# Allegro board 8880F5-0826_3.brd (continued)
## Routing (per net, layer and track width the routed paths; a pad name or vN(x,y) marks a point on that pad's centre or on a via; arc(x,y) is an arc through that point) (continued)
S4_2TX_100DCH003-: length 191
  TOP w0.086: v1(341.92,208.6) 342.37,208.15 342.37,204.4 337.51,199.54 337.51,197.86 337.43,197.78 SITE4.94
  L30_SIGNAL w0.071: v1(341.92,208.6) 342.32,208.6 342.39,208.53 342.39,205.94 343.42,204.92 344.83,204.92 346.12,206.21 346.12,206.9 348.97,209.75 354.23,209.75 358.57,205.41 358.57,203.88 361.79,200.67 364.07,200.67 375.26,189.48 411.32,189.48 425.83,174.97 425.83,141.32 421.96,137.45 397.55,137.45 395.02,139.97 395.02,144.01 395.1,144.08 v1(395.5,144.08)
S4_2TX_100DCH004+: length 169.7
  TOP w0.086: SITE4.95 337.03,197.78 336.95,197.86 336.95,199.72 340.9,203.67 340.9,206.64 v1(341.36,207.09)
  L32_SIGNAL w0.071: v1(341.36,207.09) 340.96,207.09 340.88,207.16 340.88,209.56 345.11,213.78 359.18,213.78 360.92,215.52 402.83,215.52 404.96,217.65 404.96,222.59 407.32,224.94 413.94,224.94 419.28,219.6 419.28,160.13 420.31,159.1 421.42,159.1 422,158.52 422,157.74 421.93,157.67 v1(421.53,157.67)
S4_2TX_100DCH004-: length 170.4
  TOP w0.086: SITE4.96 336.63,197.78 336.71,197.86 336.71,199.82 340.67,203.77 340.67,206.64 v1(340.21,207.09)
  L32_SIGNAL w0.071: v1(422.68,157.67) 422.27,157.67 422.2,157.74 422.2,158.6 421.51,159.3 420.39,159.3 419.47,160.21 419.47,219.69 414.02,225.14 407.23,225.14 404.77,222.67 404.77,217.74 402.75,215.72 360.83,215.72 359.1,213.98 345.02,213.98 340.69,209.64 340.69,207.16 340.62,207.09 v1(340.21,207.09)
S4_2TX_100DCH005+: length 154.8
  TOP w0.086: v1(338.99,208.83) 338.54,208.38 338.54,204.15 335.75,201.37 335.75,197.86 335.83,197.78 SITE4.98
  L30_SIGNAL w0.071: v1(421.53,144.08) 421.93,144.08 422,144.01 422,142.22 421.49,141.7 420.57,141.7 419.92,142.35 419.92,170.85 414.6,176.17 414.6,183.39 411.89,186.1 375.15,186.1 360.68,200.56 354.24,200.56 352.52,198.84 341.37,198.84 338.52,201.69 338.52,208.76 338.59,208.83 v1(338.99,208.83)
S4_2TX_100DCH005-: length 155.5
  TOP w0.086: SITE4.99 335.43,197.78 335.51,197.86 335.51,201.47 338.3,204.25 338.3,208.38 v1(337.84,208.83)
  L30_SIGNAL w0.071: v1(422.68,144.08) 422.27,144.08 422.2,144.01 422.2,142.14 421.57,141.5 420.48,141.5 419.72,142.26 419.72,170.77 414.4,176.09 414.4,183.31 411.81,185.9 375.06,185.9 360.6,200.36 354.32,200.36 352.6,198.64 341.29,198.64 338.32,201.61 338.32,208.76 338.25,208.83 v1(337.84,208.83)
S4_2TX_100DCH006+: length 135.9
  TOP w0.086: v1(337.1,210.44) 336.65,209.99 336.65,208.9 337.04,208.51 337.04,203.68 334.95,201.59 334.95,197.86 335.03,197.78 SITE4.100
  L30_SIGNAL w0.071: v1(426.4,182.99) 426.4,182.59 426.47,182.52 428.29,182.52 429.22,183.44 429.22,199.28 415.57,212.93 361.62,212.93 360.84,213.71 342.78,213.71 341.92,212.84 338.16,212.84 336.63,211.32 336.63,210.51 336.7,210.44 v1(337.1,210.44)
S4_2TX_100DCH006-: length 136.9
  TOP w0.086: v1(335.96,210.44) 336.41,209.99 336.41,208.8 336.8,208.41 336.8,203.78 334.71,201.69 334.71,197.86 334.63,197.78 SITE4.101
  L30_SIGNAL w0.071: v1(426.4,181.84) 426.4,182.25 426.47,182.32 428.38,182.32 429.42,183.36 429.42,199.36 415.65,213.13 361.7,213.13 360.93,213.91 342.7,213.91 341.84,213.04 338.07,213.04 336.43,211.4 336.43,210.51 336.36,210.44 v1(335.96,210.44)
S4_2TX_100DCH007+: length 110.3
  TOP w0.086: v1(334.78,209.97) 334.78,209.33 335.98,208.13 335.98,203.78 334.15,201.95 334.15,197.86 334.23,197.78 SITE4.102
  L30_SIGNAL w0.071: v1(334.78,209.97) 334.5,209.69 334.5,209.59 336.4,207.69 336.4,201.61 340.74,197.27 356.07,197.27 357.4,198.6 359.43,198.6 370.07,187.96 371.53,187.96 375.28,184.2 406.94,184.2 408.62,182.52 412.74,182.52 412.81,182.59 v1(412.81,182.99)
S4_2TX_100DCH007-: length 110.2
  TOP w0.086: v1(333.98,209.17) 334.61,209.17 335.74,208.03 335.74,203.88 333.91,202.05 333.91,197.86 333.83,197.78 SITE4.103
  L30_SIGNAL w0.071: v1(333.98,209.17) 334.26,209.45 334.36,209.45 336.2,207.61 336.2,201.53 340.66,197.07 356.15,197.07 357.48,198.4 359.35,198.4 369.99,187.76 371.44,187.76 375.2,184.01 406.85,184.01 408.54,182.32 412.74,182.32 412.81,182.25 v1(412.81,181.84)
S4_3TX_100DCH002+: length 169.7
  TOP w0.086: v1(329.8,208.11) 329.35,207.66 329.35,197.86 329.43,197.78 SITE4.114
  L30_SIGNAL w0.071: v1(403.5,129.1) 403.9,129.1 403.97,129.02 403.97,126.39 403.05,125.46 401.14,125.46 396.2,130.4 389.82,130.4 381.87,138.35 381.87,145.58 386.87,150.58 391.77,150.58 397.69,156.5 397.69,166.99 382.72,181.96 373.61,181.96 368.1,187.48 366.95,187.48 359.3,195.13 357.18,195.13 356.12,196.19 336.78,196.19 329.33,203.64 329.33,208.04 329.4,208.11 v1(329.8,208.11)
S4_3TX_100DCH002-: length 170.3
  TOP w0.086: SITE4.115 329.03,197.78 329.11,197.86 329.11,207.66 v1(328.66,208.11)
  L30_SIGNAL w0.071: v1(404.64,129.1) 404.24,129.1 404.17,129.02 404.17,126.31 403.13,125.26 401.06,125.26 396.12,130.2 389.74,130.2 381.67,138.27 381.67,145.66 386.79,150.78 391.69,150.78 397.5,156.58 397.5,166.91 382.64,181.77 373.52,181.77 368.01,187.28 366.87,187.28 359.21,194.93 357.1,194.93 356.04,195.99 336.7,195.99 329.13,203.56 329.13,208.04 329.06,208.11 v1(328.66,208.11)
S4_3TX_100DCH003+: length 215.4
  TOP w0.086: v1(327.41,209.9) 326.96,209.45 326.96,208.41 328.55,206.82 328.55,197.86 328.63,197.78 SITE4.116
  L30_SIGNAL w0.071: v1(381.15,190.94) 381.55,190.94 381.62,191.02 381.62,192.76 382.88,194.03 415.47,194.03 419.11,190.39 419.11,185.34 425.49,178.96 429.12,178.96 433.5,183.34 433.5,202.24 420.1,215.64 343.4,215.64 342.57,214.81 329.75,214.81 326.94,211.99 326.94,209.97 327.01,209.9 v1(327.41,209.9)
S4_3TX_100DCH003-: length 216
  TOP w0.086: v1(326.26,209.9) 326.72,209.45 326.72,208.31 328.31,206.72 328.31,197.86 328.23,197.78 SITE4.117
  L30_SIGNAL w0.071: v1(382.29,190.94) 381.89,190.94 381.82,191.02 381.82,192.68 382.96,193.83 415.38,193.83 418.91,190.3 418.91,185.26 425.4,178.76 429.2,178.76 433.69,183.25 433.69,202.33 420.19,215.83 343.32,215.83 342.49,215 329.67,215 326.74,212.07 326.74,209.97 326.67,209.9 v1(326.26,209.9)
S4_3TX_100DCH004+: length 91.4
  TOP w0.086: v1(325.36,207.81) 324.91,207.36 324.91,206.21 326.95,204.17 326.95,197.86 327.03,197.78 SITE4.120
  L30_SIGNAL w0.071: v1(381.15,177.36) 381.55,177.36 381.62,177.28 381.62,176.3 381.23,175.91 379.09,175.91 377.96,177.03 375.47,177.03 370.22,182.29 368.01,182.29 361.17,189.13 361.17,191.97 358.8,194.33 356.88,194.33 356.47,193.92 356.47,193.27 355.99,192.78 334.25,192.78 326.48,200.55 326.48,205.18 324.89,206.77 324.89,207.74 324.96,207.81 v1(325.36,207.81)
S4_3TX_100DCH004-: length 92.1
  TOP w0.086: SITE4.121 326.63,197.78 326.71,197.86 326.71,204.07 324.67,206.11 324.67,207.36 v1(324.22,207.81)
  L30_SIGNAL w0.071: v1(382.29,177.36) 381.89,177.36 381.82,177.28 381.82,176.22 381.31,175.71 379,175.71 377.88,176.83 375.39,176.83 370.13,182.09 367.92,182.09 360.97,189.04 360.97,191.88 358.72,194.13 356.97,194.13 356.67,193.84 356.67,193.18 356.07,192.58 334.16,192.58 326.28,200.46 326.28,205.09 324.69,206.68 324.69,207.74 324.62,207.81 v1(324.22,207.81)
S4_3TX_100DCH005+: length 103.5
  TOP w0.086: SITE4.122 326.23,197.78 326.15,197.86 326.15,200.53 324.65,202.03 324.65,203.24 v1(325.11,203.69)
  L32_SIGNAL w0.071: v1(394.35,174.43) 394.76,174.43 394.83,174.36 394.83,173.08 394.27,172.52 393.47,172.52 392.29,173.7 392.29,188.98 388.8,192.48 362.58,192.48 360.34,194.71 357.53,194.71 355.51,196.73 345.66,196.73 341.34,201.06 326.26,201.06 324.63,202.68 324.63,203.62 324.7,203.69 v1(325.11,203.69)
S4_3TX_100DCH005-: length 104.1
  TOP w0.086: SITE4.123 325.83,197.78 325.91,197.86 325.91,200.44 324.42,201.93 324.42,203.24 v1(323.96,203.69)
  L32_SIGNAL w0.071: v1(323.96,203.69) 324.36,203.69 324.44,203.62 324.44,202.6 326.17,200.86 341.26,200.86 345.58,196.53 355.42,196.53 357.44,194.51 360.26,194.51 362.49,192.28 388.71,192.28 392.1,188.9 392.1,173.62 393.39,172.33 394.35,172.33 395.02,173 395.02,174.36 395.1,174.43 v1(395.5,174.43)
S4_3TX_100DCH006+: length 127.9
  TOP w0.086: SITE4.124 325.43,197.78 325.35,197.86 325.35,199.65 322.87,202.13 322.87,204.93 321.66,206.13 321.66,207.36 v1(322.12,207.81)
  L30_SIGNAL w0.071: v1(322.12,207.81) 321.71,207.81 321.64,207.74 321.64,206.6 322.83,205.42 322.83,196.37 327.88,191.31 347.11,191.31 349.9,188.52 355.49,188.52 357.71,190.74 358.98,190.74 359.96,189.76 359.96,170.67 361.59,169.04 378.94,169.04 388.58,159.39 394.55,159.39 394.83,159.67 394.83,160.77 394.76,160.85 v1(394.35,160.85)
S4_3TX_100DCH006-: length 128.5
  TOP w0.086: SITE4.125 325.03,197.78 325.11,197.86 325.11,199.55 322.63,202.03 322.63,204.83 321.43,206.04 321.43,207.36 v1(320.97,207.81)
  L30_SIGNAL w0.071: v1(395.5,160.85) 395.1,160.85 395.02,160.77 395.02,159.59 394.63,159.19 388.5,159.19 378.85,168.84 361.51,168.84 359.77,170.58 359.77,189.67 358.89,190.54 357.79,190.54 355.57,188.32 349.81,188.32 347.02,191.11 327.8,191.11 322.63,196.29 322.63,205.34 321.45,206.52 321.45,207.74 321.37,207.81 v1(320.97,207.81)
S4_3TX_100DCH007+: length 201.1
  TOP w0.086: SITE4.126 324.63,197.78 324.55,197.86 324.55,198.73 321.08,202.2 321.08,203.24 v1(321.53,203.69)
  L32_SIGNAL w0.071: v1(321.53,203.69) 321.13,203.69 321.06,203.62 321.06,200.41 324.65,196.82 333.29,196.82 336.32,193.8 336.32,176.46 335.64,175.78 335.64,164.26 334.65,163.28 334.65,156.75 329.39,151.49 326.78,151.49 323.21,147.91 323.21,139.64 324.08,138.77 329.58,138.77 331.51,140.7 334.66,140.7 339.82,145.87 347.55,145.87 354.55,152.87 364.56,152.87 367.97,149.46 408.77,149.46 413.54,144.7 413.54,141.48 414.32,140.7 416.46,140.7 417.18,141.42 417.18,142.61 417.11,142.68 v1(416.71,142.68)
S4_3TX_100DCH007-: length 201.8
  TOP w0.086: SITE4.127 324.23,197.78 324.31,197.86 324.31,198.63 320.84,202.1 320.84,203.24 v1(320.39,203.69)
  L32_SIGNAL w0.071: v1(320.39,203.69) 320.79,203.69 320.86,203.62 320.86,200.33 324.56,196.63 333.21,196.63 336.12,193.71 336.12,176.54 335.44,175.86 335.44,164.35 334.45,163.36 334.45,156.83 329.31,151.68 326.7,151.68 323.01,148 323.01,139.56 324,138.57 329.66,138.57 331.59,140.5 334.74,140.5 339.9,145.67 347.63,145.67 354.64,152.67 364.48,152.67 367.88,149.27 408.69,149.27 413.34,144.61 413.34,141.4 414.24,140.5 416.54,140.5 417.38,141.34 417.38,142.61 417.45,142.68 v1(417.85,142.68)
S4_4TX_100DCH001+: length 232.7
  TOP w0.086: SITE4.129 323.43,197.78 323.35,197.86 323.35,198.57 319.3,202.62 319.3,205.93 318.34,206.89 318.34,207.36 v1(318.79,207.81)
  L30_SIGNAL w0.071: v1(318.79,207.81) 318.39,207.81 318.32,207.74 318.32,207.11 319,206.43 319,168.46 321.19,166.27 321.19,161.32 319.05,159.18 319.05,147.84 315.96,144.76 305.99,144.76 301.68,140.44 301.68,131.56 302.98,130.26 324.73,130.26 327.42,132.94 336.17,132.94 342.05,127.07 372.17,127.07 376.66,122.58 395.11,122.58 396.36,121.33 411.63,121.33 417.18,126.88 417.18,129.02 417.11,129.1 v1(416.71,129.1)
S4_4TX_100DCH001-: length 233.3
  TOP w0.086: SITE4.130 323.03,197.78 323.11,197.86 323.11,198.47 319.06,202.52 319.06,205.83 318.1,206.79 318.1,207.36 v1(317.64,207.81)
  L30_SIGNAL w0.071: v1(317.64,207.81) 318.05,207.81 318.12,207.74 318.12,207.03 318.8,206.35 318.8,168.38 320.99,166.19 320.99,161.4 318.85,159.26 318.85,147.93 315.88,144.95 305.91,144.95 301.48,140.52 301.48,131.48 302.9,130.06 324.81,130.06 327.5,132.74 336.09,132.74 341.96,126.87 372.09,126.87 376.58,122.38 395.03,122.38 396.27,121.14 411.72,121.14 417.38,126.8 417.38,129.02 417.45,129.1 v1(417.85,129.1)
S4_4TX_100DCH002+: length 172.9
  TOP w0.086: v1(317.56,205.42) 317.11,204.97 317.11,203.7 322.55,198.26 322.55,197.86 322.63,197.78 SITE4.131
  L32_SIGNAL w0.071: v1(390.29,142.68) 390.69,142.68 390.76,142.61 390.76,141.51 390.21,140.96 386.67,140.96 385.67,141.96 369.82,141.96 365.26,137.4 353.16,137.4 349.73,140.83 338.68,140.83 335.58,137.73 323.67,137.73 321.72,139.68 321.72,149.78 329.45,157.51 330.43,157.51 332.76,159.83 332.76,174.16 334.76,176.16 334.76,193.01 332.16,195.61 323.65,195.61 317.09,202.17 317.09,205.35 317.16,205.42 v1(317.56,205.42)
S4_4TX_100DCH002-: length 173.6
  TOP w0.086: SITE4.132 322.23,197.78 322.31,197.86 322.31,198.16 316.87,203.6 316.87,204.97 v1(316.42,205.42)
  L32_SIGNAL w0.071: v1(316.42,205.42) 316.82,205.42 316.89,205.35 316.89,202.09 323.57,195.42 332.07,195.42 334.56,192.93 334.56,176.25 332.56,174.24 332.56,159.92 330.35,157.71 329.37,157.71 321.52,149.86 321.52,139.6 323.59,137.53 335.66,137.53 338.76,140.63 349.65,140.63 353.08,137.2 365.34,137.2 369.9,141.76 385.59,141.76 386.58,140.76 390.3,140.76 390.96,141.42 390.96,142.61 391.03,142.68 v1(391.43,142.68)
S4_4TX_100DCH003+: length 198.8
  TOP w0.086: v1(305.81,199.77) 306.27,199.32 311.06,199.32 317.23,193.15 317.6,193.15 317.68,193.23 SITE4.133
  L28_SIGNAL w0.071: v1(390.29,129.1) 390.69,129.1 390.76,129.17 390.76,130.81 386.7,134.88 382.48,134.88 370.52,122.92 333.9,122.92 331.52,120.54 326.51,120.54 324.13,122.92 316.47,122.92 306.86,132.53 305.35,132.53 291.32,146.56 291.32,190.49 300.12,199.3 305.74,199.3 305.81,199.37 v1(305.81,199.77)
S4_4TX_100DCH003-: length 198.5
  TOP w0.086: SITE4.134 317.68,192.83 317.6,192.91 317.13,192.91 310.96,199.08 306.27,199.08 v1(305.81,198.63)
  L28_SIGNAL w0.071: v1(391.43,129.1) 391.03,129.1 390.96,129.17 390.96,130.89 386.78,135.07 382.4,135.07 370.44,123.12 333.81,123.12 331.43,120.73 326.59,120.73 324.21,123.12 316.55,123.12 306.94,132.72 305.44,132.72 291.52,146.65 291.52,190.41 300.21,199.1 305.74,199.1 305.81,199.03 v1(305.81,198.63)
S4_4TX_100DCH004+: length 237
  TOP w0.086: v1(308.57,197.65) 309.02,197.2 311.68,197.2 316.53,192.35 317.6,192.35 317.68,192.43 SITE4.135
  L32_SIGNAL w0.071: v1(308.57,197.65) 308.57,197.25 308.64,197.18 317.61,197.18 326.43,188.36 326.43,164.77 325.48,163.82 325.48,161.26 323.3,159.08 323.3,152.85 319.37,148.93 319.37,138.15 320.79,136.73 343.83,136.73 345.24,135.32 367.72,135.32 369.7,137.3 375.59,137.3 377.45,135.44 414.92,135.44 419.62,140.14 419.62,147.03 412.59,154.05 412.59,156.8 410.18,159.21 406.79,159.21 405.18,160.82 405.18,169.89 408.29,172.99 408.29,174.36 408.22,174.43 v1(407.82,174.43)
S4_4TX_100DCH004-: length 237.3
  TOP w0.086: v1(308.57,196.51) 309.02,196.96 311.58,196.96 316.43,192.11 317.6,192.11 317.68,192.03 SITE4.136
  L32_SIGNAL w0.071: v1(408.96,174.43) 408.56,174.43 408.49,174.36 408.49,172.91 405.38,169.81 405.38,160.9 406.87,159.41 410.27,159.41 412.79,156.88 412.79,154.14 419.82,147.11 419.82,140.06 415,135.24 377.37,135.24 375.51,137.1 369.78,137.1 367.81,135.13 345.16,135.13 343.75,136.54 320.71,136.54 319.17,138.07 319.17,149.01 323.1,152.93 323.1,159.16 325.28,161.34 325.28,163.9 326.23,164.85 326.23,188.27 317.53,196.98 308.64,196.98 308.57,196.91 v1(308.57,196.51)
S4_4TX_100DCH005+: length 242.8
  TOP w0.086: SITE4.137 317.68,191.63 317.6,191.55 316.17,191.55 312.64,195.08 306.27,195.08 v1(305.81,195.53)
  L32_SIGNAL w0.071: v1(407.82,160.85) 408.22,160.85 408.29,160.92 408.29,162.22 409.22,163.14 411.85,163.14 424.51,150.48 424.51,140.47 418.08,134.04 377.25,134.04 373.18,129.97 342.05,129.97 339.26,132.77 318.14,132.77 315.93,134.97 315.93,156.28 321.14,161.5 321.14,165.33 319.26,167.21 319.26,187.74 311.93,195.07 307.7,195.07 306.2,196.57 303.88,196.57 303.51,196.2 303.51,195.48 303.93,195.06 305.74,195.06 305.81,195.13 v1(305.81,195.53)
S4_4TX_100DCH005-: length 242.5
  TOP w0.086: SITE4.138 317.68,191.23 317.6,191.31 316.07,191.31 312.55,194.84 306.27,194.84 v1(305.81,194.39)
  L32_SIGNAL w0.071: v1(408.96,160.85) 408.56,160.85 408.49,160.92 408.49,162.14 409.3,162.95 411.77,162.95 424.32,150.4 424.32,140.56 417.99,134.23 377.16,134.23 373.1,130.17 342.14,130.17 339.34,132.96 318.22,132.96 316.13,135.06 316.13,156.2 321.34,161.42 321.34,165.41 319.46,167.29 319.46,187.82 312.02,195.27 307.78,195.27 306.28,196.77 303.79,196.77 303.31,196.29 303.31,195.4 303.85,194.86 305.74,194.86 305.81,194.79 v1(305.81,194.39)
S4_4TX_100DCH006+: length 58.4
  TOP w0.086: SITE4.140 317.68,190.43 317.6,190.35 313.96,190.35 312.03,192.28 309.02,192.28 v1(308.57,192.73)
  L32_SIGNAL w0.071: v1(310.75,156.84) 311.15,156.84 311.22,156.92 311.22,158.28 310.1,159.4 305.65,159.4 303.04,162 303.04,190.21 305.1,192.26 308.49,192.26 308.57,192.33 v1(308.57,192.73)
S4_4TX_100DCH006-: length 58
  TOP w0.086: SITE4.141 317.68,190.03 317.6,190.11 313.86,190.11 311.93,192.04 309.02,192.04 v1(308.57,191.59)
  L32_SIGNAL w0.071: v1(311.89,156.84) 311.49,156.84 311.42,156.92 311.42,158.36 310.19,159.59 305.73,159.59 303.24,162.09 303.24,190.12 305.18,192.06 308.49,192.06 308.57,191.99 v1(308.57,191.59)
S4_4TX_100DCH007+: length 78.5
  TOP w0.086: SITE4.142 317.68,189.63 317.6,189.55 313.04,189.55 312.4,190.19 306.27,190.19 v1(305.81,190.64)
  L28_SIGNAL w0.071: v1(305.81,190.64) 305.81,190.24 305.74,190.16 303.96,190.16 302.77,188.97 296.3,188.97 294.17,186.84 294.17,161.44 311.22,144.39 311.22,143.33 311.15,143.26 v1(310.75,143.26)
S4_4TX_100DCH007-: length 78.2
  TOP w0.086: v1(305.81,189.49) 306.27,189.95 312.3,189.95 312.94,189.31 317.6,189.31 317.68,189.23 SITE4.143
  L28_SIGNAL w0.071: v1(305.81,189.49) 305.81,189.9 305.74,189.97 304.04,189.97 302.85,188.78 296.39,188.78 294.36,186.75 294.36,161.52 311.42,144.47 311.42,143.33 311.49,143.26 v1(311.89,143.26)
S4_AUX_100DCH002+:
  vias: v1(299.22,132.08)
S4_AUX_100DCH002-:
  vias: v1(296.68,132.08)
S4_AUXCH+: length 3.6
  TOP w0.203: v2(330.6,176.57) 330.23,176.2 SITE4.21
S4_AUXCH-: length 3.6
  TOP w0.203: SITE4.20 329.83,176.2 v2(329.46,176.57)
S4_AVDD11_RX: length 8.4
  TOP w0.231: SITE4.31 334.23,168.29 334.67,167.85
  TOP w0.508: v1(336.77,165.75) 334.67,167.85
  vias: v1(336.77,163.71) v1(518.37,278.76) v1(518.37,276.86)
S4_AVDD11_XTAL: length 8.8
  TOP w0.231: SITE4.105 333.03,200.95 332.87,201.11 332.87,201.45
  TOP w0.381: v1(333.72,204.54) 333.72,204.45 332.87,203.59 332.87,201.45
  vias: v1(333.72,206.58) v1(511.6,262.25) v1(511.6,260.35)
S4_AVDD18_RX: length 7.7
  TOP w0.231: SITE4.25 331.83,170.56 331.28,170.01
  TOP w0.508: 331.28,170.01 331.28,168.9 331.06,168.68 v1(331.06,165.75)
  vias: v1(331.06,163.71) v1(528.11,278.76) v1(528.11,276.86)
S4_DCH041: length 2.2
  TOP w0.231: v1(317.23,183.03) 317.43,182.83 SITE4.159
S4_DCH042: length 3.7
  TOP w0.231: v1(315.83,183.03) 316.43,182.43 SITE4.160
S4_DCH043: length 5.3
  TOP w0.231: v1(314.43,183.03) 315.44,182.03 SITE4.161
S4_DCH044: length 2.2
  TOP w0.231: SITE4.163 317.43,181.23 v1(317.23,181.03)
S4_DCH045: length 5.4
  TOP w0.231: v1(324.35,179.83) 323.35,180.83 SITE4.164
S4_DCH046: length 3.9
  TOP w0.231: SITE4.165 322.35,180.43 v1(322.95,179.83)
S4_DCH047: length 2.3
  TOP w0.231: v1(321.56,179.83) 321.36,180.03 SITE4.166
S4_DCH048:
  vias: v1(309.05,216.97)
S4_DCH049:
  vias: v1(309.05,211.67)
S4_DPS_F_001:
  vias: v1(122.19,249.66) v1(122.19,247.75) v1(297.68,130.81) v1(301.73,167.84)
S4_DPS_F_002: length 10.1
  TOP w0.231: 320.65,169.55 321.72,169.55 323.03,170.86 SITE4.3
  TOP w0.508: 320.65,169.55 317.98,166.88 v1(317.98,165.75)
  vias: v1(316.32,162.9) v1(317.98,163.71) v1(511.6,278.76) v1(511.6,276.86)
S4_DPS_F_003: length 63.1
  TOP w0.231: SITE4.145 313.08,188.43 312.83,188.18 ; 314.63,181.63 SITE4.162 ; SITE4.37 336.63,171.59 338.57,169.66 339.73,169.66 ; SITE4.63 344.9,183.23 345.2,182.93 ; 347.84,185.53 346.94,186.43 SITE4.71 ; 329.28,168.85 328.63,169.5 SITE4.17 ; 331.69,201.16 331.69,200.65 332.23,200.11 SITE4.107
  TOP w0.381: 331.69,201.16 331.69,204.28 v1(331.94,204.54)
  TOP w0.508: 314.63,181.63 314.37,181.63 312.59,183.41 v1(311.44,183.41) ; v1(351.22,183.91) 349.45,183.91 347.84,185.53 ; v1(311.44,187.93) 312.58,187.93 312.83,188.18 ; v1(342.36,165.75) 342.36,167.02 339.73,169.66 ; v1(351.22,181.37) 348.11,181.37 346.8,182.68 345.45,182.68 345.2,182.93 ; v1(329.28,165.75) 329.28,168.85
  vias: v1(309.4,187.93) v1(309.4,183.41) v1(329.28,163.71) v1(331.54,192.61) v1(331.94,206.58) v1(342.36,163.71) v1(353.27,183.91) v1(353.27,181.37) v1(464.57,192.28) v1(501.86,278.76) v1(501.86,276.86)
S4_DPS_F_006: length 9.6
  TOP w0.231: SITE4.72 347.92,186.83 348.55,186.19
  TOP w0.508: v1(351.22,185.18) 349.56,185.18 348.55,186.19
  vias: v1(339,186.67) v1(353.27,185.18) v1(478.58,262.25) v1(478.58,260.35)
S4_DPS_F_007: length 19
  TOP w0.231: SITE4.97 336.23,200.71 339.65,204.13 v1(339.65,204.54) ; 344.37,189.01 344.15,189.23 SITE4.78
  TOP w0.508: 344.37,189.01 350.31,189.01 350.8,189.5 v1(351.22,189.5)
  vias: v1(339.65,206.58) v1(353.27,189.5) v1(528.11,262.25) v1(528.11,260.35)
S4_DPS_F_009: length 8.8
  TOP w0.231: 332.26,201.12 332.26,200.9 332.63,200.53 SITE4.106
  TOP w0.381: v1(332.83,204.54) 332.83,204.39 332.26,203.82 332.26,201.12
  vias: v1(332.83,206.58) v1(333.61,207.66) v1(495.09,262.25) v1(495.09,260.35)
S4_DPS_F_010: length 8.6
  TOP w0.231: 331.05,201.13 331.05,200.57 330.63,200.15 SITE4.111
  TOP w0.381: 331.05,201.13 v1(331.05,204.54)
  vias: v1(330.34,193.59) v1(331.05,206.58) v1(485.35,262.25) v1(485.35,260.35)
S4_DPS_F_011: length 17.6
  TOP w0.231: v1(311.44,193.69) 312.01,193.69 314.87,190.83 SITE4.139 ; SITE4.119 327.43,197.79 327.64,198.01
  TOP w0.508: v1(327.57,204.54) 327.64,204.47 327.64,198.01
  vias: v1(309.4,193.69) v1(327.57,206.58) v1(518.37,262.25) v1(518.37,260.35)
S4_DPS_F_012: length 8
  TOP w0.231: 312.2,188.83 SITE4.144
  TOP w0.508: 312.2,188.83 311.81,188.83 v1(311.44,189.2)
  vias: v1(309.4,189.2) v1(468.84,262.25) v1(468.84,260.35)
S4_DPS_F_013:
  vias: v1(117.33,249.71) v1(117.33,247.8) v1(452.62,188.98) v1(457.25,190.45) v1(474.87,173.79) v1(474.89,161.55) v1(474.99,175.15) v1(478.43,173.74) v1(478.43,161.55) v1(478.53,175.15) v1(480.97,161.55) v1(481.07,175.15) v1(482.1,197.87) v1(483.51,161.55) v1(483.61,175.15) v1(489.86,169.47) v1(490.1,183.24)
S4_ISP00+: length 99.5
  TOP w0.086: v1(355.08,185.88) 354.62,186.33 350.29,186.33 349.31,187.31 344.06,187.31 343.98,187.23 SITE4.73
  L30_SIGNAL w0.071: v1(307.81,134.11) 307.81,135.47 307.88,135.54 323.4,135.54 329.84,141.98 329.84,145.27 339.48,154.92 339.48,165.79 349.8,176.1 349.8,184.98 351.16,186.35 355,186.35 355.08,186.28 v1(355.08,185.88)
  BOTTOM w0.119: v1(307.81,134.11) UNK4K43.7
S4_ISP00-: length 99.5
  TOP w0.086: v1(355.08,187.02) 354.62,186.57 350.39,186.57 349.41,187.55 344.06,187.55 343.98,187.63 SITE4.74
  L30_SIGNAL w0.071: v1(307.81,137.16) 307.81,135.81 307.88,135.74 323.32,135.74 329.64,142.06 329.64,145.36 339.29,155 339.29,165.87 349.6,176.18 349.6,185.06 351.08,186.55 355,186.55 355.08,186.62 v1(355.08,187.02)
  BOTTOM w0.119: v1(307.81,137.16) UNK4K43.2
S4_ISP14+: length 154.7
  TOP w0.086: v1(331.93,209.9) 331.48,209.45 331.48,207.92 330.15,206.59 330.15,197.86 330.23,197.78 SITE4.112
  L32_SIGNAL w0.071: v1(331.93,209.9) 331.53,209.9 331.46,209.83 331.46,208.24 329.96,206.74 329.96,204.8 328.62,203.46 327.04,203.46 326.42,204.08 326.42,204.85 324.71,206.56 323.89,206.56 323.11,207.34 323.11,210.81 321.13,212.78 311.9,212.78 308.71,209.59 298.42,209.59 294.35,205.52 294.35,184.19 296.65,181.89 296.65,154.94 301.02,150.57 308.82,150.57 314.41,144.98 314.41,136.33 313.62,135.54 312.28,135.54 312.21,135.47 v1(312.21,131.64)
S4_ISP14-: length 154.3
  TOP w0.086: v1(330.79,209.9) 331.24,209.45 331.24,208.02 329.91,206.69 329.91,197.86 329.83,197.78 SITE4.113
  L32_SIGNAL w0.071: v1(312.21,139.64) 312.21,135.81 312.28,135.74 313.53,135.74 314.22,136.42 314.22,144.9 308.74,150.37 300.94,150.37 296.45,154.86 296.45,181.81 294.15,184.11 294.15,205.6 298.33,209.78 308.62,209.78 311.82,212.98 321.22,212.98 323.31,210.89 323.31,207.43 323.98,206.75 324.79,206.75 326.61,204.93 326.61,204.17 327.12,203.66 328.54,203.66 329.76,204.88 329.76,206.82 331.26,208.32 331.26,209.83 331.19,209.9 v1(330.79,209.9)
S4_ISP_1LOCK:
  vias: v1(309.91,185.39)
S4_M_DPS_F_001: length 45.2
  TOP w0.231: SITE4.39 337.43,171.49 338.54,170.37 340.57,170.37 ; 346.49,183.63 SITE4.64 ; 313.24,187.18 313.7,187.63 SITE4.147 ; SITE4.104 333.43,203.21 ; 330.63,170.54 SITE4.22
  TOP w0.381: 333.43,203.21 334.61,204.39 v1(334.61,204.54)
  TOP w0.508: v1(311.44,186.66) 312.72,186.66 313.24,187.18 ; v1(330.17,165.75) 330.17,168.96 330.38,169.17 330.38,170.28 330.63,170.54 ; v1(351.22,182.64) 348.48,182.64 347.49,183.63 346.49,183.63 ; 340.57,170.37 343.63,167.31 v1(343.63,165.75)
  vias: v1(309.4,186.66) v1(330.17,163.71) v1(334.61,206.58) v1(343.63,163.71) v1(353.27,182.64) v1(518.37,295.27) v1(518.37,293.37)
S4_PS9G_DCH001: length 3.7
  TOP w0.231: v1(329.63,169.63) 329.03,170.23 SITE4.18
S4_PS9G_DCH002: length 2.2
  TOP w0.231: SITE4.19 329.43,171.23 v1(329.63,171.03)
S4_PS9G_DCH003: length 2.2
  TOP w0.231: SITE4.24 331.43,171.23 v1(331.23,171.03)
S4_PS9G_DCH004: length 2.2
  TOP w0.231: SITE4.40 337.83,175.03 v1(337.63,175.23)
S4_PS9G_DCH005: length 2.2
  TOP w0.231: v1(344.43,175.83) 344.23,176.03 SITE4.45
S4_PS9G_DCH006: length 3.7
  TOP w0.231: v1(345.83,175.83) 345.23,176.43 SITE4.46
S4_PS9G_DCH007: length 5.3
  TOP w0.231: SITE4.47 346.22,176.83 v1(347.22,175.83)
S4_PS9G_DCH009: length 2.2
  TOP w0.231: v1(344.43,177.43) 344.23,177.63 SITE4.49
S4_PS9G_DCH010: length 3.7
  TOP w0.231: SITE4.50 345.23,178.03 v1(345.83,177.43)
S4_PS9G_DCH011: length 5.3
  TOP w0.231: v1(347.22,177.43) 346.22,178.43 SITE4.51
S4_PS9G_DCH014: length 3.7
  TOP w0.231: v1(345.83,179.03) 345.23,179.63 SITE4.54
S4_PS9G_DCH015: length 5.3
  TOP w0.231: v1(347.22,179.03) 346.22,180.03 SITE4.55
S4_PS9G_DCH022: length 5.3
  TOP w0.231: v1(347.22,185.03) 347.05,185.03 346.05,184.03 SITE4.65
S4_PS9G_DCH023: length 2.5
  TOP w0.231: v1(344.43,185.03) 344.43,184.83 344.03,184.43 SITE4.66
S4_PS9G_DCH027: length 3.9
  TOP w0.231: v1(345.83,185.03) 344.83,186.03 SITE4.70
S4_PS9G_DCH028: length 2.3
  TOP w0.231: SITE4.77 340.6,188.83 v1(340.23,188.46)
S4_PS9G_DCH029: length 2.2
  TOP w0.119: SITE4.118 v1(327.83,193.92)
S4_PS9G_DCH030: length 9.2
  TOP w0.231: SITE4.148 317.62,187.23 317.3,186.91 314.16,186.91 312.63,185.39 v1(310.91,185.39)
S4_PS9G_DCH035: length 5.3
  TOP w0.231: v1(314.43,186.23) 315.44,185.23 SITE4.153
S4_PS9G_DCH036: length 2.2
  TOP w0.231: v1(321.43,185.03) 321.23,184.83 SITE4.154
S4_PS9G_DCH037: length 2.2
  TOP w0.231: SITE4.155 317.43,184.43 v1(317.23,184.63)
S4_PS9G_DCH038: length 3.7
  TOP w0.231: v1(315.83,184.63) 316.43,184.03 SITE4.156
S4_PS9G_DCH039: length 5.3
  TOP w0.231: v1(314.43,184.63) 315.44,183.63 SITE4.157
S4_PS9G_DCH040: length 2.2
  TOP w0.231: v1(321.43,183.43) 321.23,183.23 SITE4.158
S4_RLY_001:
  vias: v1(402.14,146.88) v1(415.1,163.64)
S4_RLY_003:
  vias: v1(318.32,131.64) v1(403.41,209.61)
S4_RLY_005:
  vias: v1(388.43,146.88) v1(415.6,146.88)
S4_RLY_007:
  vias: v1(415.61,188.92)
S4_RLY_008:
  vias: v1(375.22,180.15) v1(397.57,131.89)
S4_RLY_016:
  vias: v1(388.43,163.64) v1(410.78,131.89)
S4_RLY_018:
  vias: v1(312.25,216.97)
S4_RLY_021:
  vias: v1(384.36,131.89) v1(401.89,163.64)
S4_RLY_022:
  vias: v1(346.27,138.37) v1(375.73,202.38)
S4_RLY_023:
  vias: v1(392.24,202.38)
S4_RLY_025:
  vias: v1(375.22,163.39) v1(388.43,180.15)
S4_RLY_026:
  vias: v1(401.89,180.15)
S4_RLY_030:
  vias: v1(304.82,146.05)
S4_RLY_043:
  vias: v1(304.61,131.64)
S4_SCAN_DCH008: length 2.2
  TOP w0.231: SITE4.48 340.43,177.23 v1(340.23,177.03)
S4_SCAN_DCH012: length 2.2
  TOP w0.231: v1(340.23,178.63) 340.43,178.83 SITE4.52
S4_SCAN_DCH013: length 2.2
  TOP w0.231: SITE4.53 344.23,179.23 v1(344.43,179.03)
S4_SCAN_DCH016: length 2.2
  TOP w0.231: v1(340.23,180.23) 340.43,180.43 SITE4.56
S4_SCAN_DCH017: length 2.2
  TOP w0.231: SITE4.57 344.23,180.83 v1(344.43,180.63)
S4_SCAN_DCH018: length 3.7
  TOP w0.231: v1(345.83,180.63) 345.23,181.23 SITE4.58
S4_SCAN_DCH019: length 5.3
  TOP w0.231: SITE4.59 346.22,181.63 v1(347.22,180.63)
S4_SCAN_DCH020: length 2.2
  TOP w0.231: v1(340.23,181.83) 340.43,182.03 SITE4.60
S4_SCAN_DCH021: length 2.2
  TOP w0.231: v1(344.43,182.23) 344.23,182.43 SITE4.61
S4_SCAN_DCH024: length 2.2
  TOP w0.231: v1(340.23,184.63) 340.43,184.83 SITE4.67
S4_SCAN_DCH025: length 3.7
  TOP w0.231: v1(338.83,184.63) 339.43,185.23 SITE4.68
S4_SCAN_DCH026: length 5.3
  TOP w0.231: v1(337.44,184.63) 338.44,185.63 SITE4.69
S4_SCAN_DCH031: length 3.7
  TOP w0.231: v1(322.83,187.43) 322.23,186.83 SITE4.149
S4_SCAN_DCH032: length 5.3
  TOP w0.231: SITE4.150 323.22,186.43 v1(324.22,187.43)
S4_SCAN_DCH033: length 2.2
  TOP w0.231: SITE4.151 317.43,186.03 v1(317.23,186.23)
S4_SCAN_DCH034: length 3.7
  TOP w0.231: v1(315.83,186.23) 316.43,185.63 SITE4.152
S4_SPI_1_SCK:
  vias: v1(480.07,175.15)
S4_SPI_1_SDO:
  vias: v1(455.94,166.12)
S4_SPI_2_CSN:
  vias: v1(475.87,173.79)
S4_SPI_2_SCK:
  vias: v1(479.97,161.55)
S4_SPI_2_SDO:
  vias: v1(451.87,166.12)
S4_SPI_11_SDO:
  vias: v1(456.94,166.12) v1(482.61,175.15)
S4_SPI_22_SDI:
  vias: v1(477.43,173.74)
S4_SPI_22_SDO:
  vias: v1(452.87,166.12) v1(482.51,161.55)
S4_SPI_CSN: length 2.2
  TOP w0.231: v1(339.23,171.03) 339.03,171.23 SITE4.43
S4_SPI_SCK: length 2.2
  TOP w0.231: SITE4.42 338.63,175.03 v1(338.83,175.23)
S4_SPI_SDI: length 3.7
  TOP w0.231: SITE4.44 339.43,176.03 v1(338.83,176.63)
S4_SPI_SDO: length 3.7
  TOP w0.231: SITE4.41 338.23,176.03 v1(337.63,176.63)
S4_XTAL_IN: length 2.5
  TOP w0.119: SITE4.109 331.43,198.31 v1(331.63,198.51)
  vias: v1(306.85,211.67)
S4_XTAL_OUT: length 3.7
  TOP w0.231: v1(331.63,199.63) 331.03,199.03 SITE4.110
  vias: v1(306.85,216.97)
UDBGND:
  vias: v1(13.3,262.13) v1(13.55,259.69) v1(23.86,130.71) v1(24.11,128.27) v1(36.83,129.86) v1(117.69,130.81) v1(118.49,128.27) v1(128.57,149.86) v1(128.57,146.05) v1(128.57,138.43) v1(128.57,134.62) v1(130.51,142.24) v1(224.37,298.45) v1(225.17,295.91) v1(452.68,137.92) v1(452.68,134.11) v1(452.68,130.3) v1(454.61,145.54) v1(454.61,141.73) v1(473.29,130.81) v1(474.09,128.27) v1(484.87,130.71) v1(485.12,128.27) v1(512.11,238.76) v1(512.11,234.95) v1(512.11,231.14) v1(512.11,227.33) v1(548.37,300.89) v1(548.62,298.45) v1(557.36,300.99) v1(558.16,298.45)
UT1_UP5V:
  vias: v1(11.05,259.69) v1(11.6,262.13) v1(21.61,128.27) v1(22.16,130.71) v1(36.83,135.89) v1(36.83,133.85) v1(115.19,128.27) v1(115.99,130.81) v1(175.7,264.1) v1(175.7,250.38) v1(175.7,236.67) v1(175.7,222.95) v1(175.7,209.49) v1(175.7,195.52) v1(175.7,182.06) v1(175.7,168.6) v1(175.7,154.88) v1(175.7,141.67) v1(192.47,264.1) v1(192.47,250.38) v1(192.47,236.67) v1(192.47,222.95) v1(192.47,209.49) v1(192.47,195.52) v1(192.47,182.06) v1(192.47,168.6) v1(192.47,154.88) v1(208.98,264.1) v1(209.23,250.38) v1(209.23,236.67) v1(209.23,222.95) v1(209.23,209.49) v1(209.23,195.52) v1(209.49,182.06) v1(209.49,168.6) v1(209.49,155.13) v1(221.87,295.91) v1(222.67,298.45) v1(232.25,271.67) v1(232.25,211.67) v1(244.8,288.61) v1(250.5,296.86) v1(256.73,132.14) v1(263.71,296.86) v1(269.69,135.19) v1(273.24,272.1) v1(277.17,296.86) v1(282.9,147.38) v1(290.64,296.86) v1(293.31,272.1) v1(303.84,296.86) v1(304.61,139.64) v1(304.82,154.05) v1(312.25,271.67) v1(312.25,211.67) v1(317.05,296.86) v1(318.32,139.64) v1(330.51,296.86) v1(343.98,296.86) v1(354.27,138.37) v1(369.38,265.11) v1(369.38,249.11) v1(369.38,232.6) v1(369.63,297.12) v1(369.63,281.11) v1(375.22,188.15) v1(375.22,171.39) v1(376.23,217.11) v1(383.09,297.12) v1(383.09,281.11) v1(383.09,265.11) v1(383.09,249.11) v1(383.09,232.85) v1(383.73,202.38) v1(384.36,139.89) v1(388.43,188.15) v1(388.43,171.64) v1(388.43,154.88) v1(389.7,217.36) v1(396.55,297.12) v1(396.55,281.11) v1(396.55,265.37) v1(396.55,249.11) v1(396.55,233.11) v1(397.57,139.89) v1(400.24,202.38) v1(401.89,188.15) v1(401.89,171.64) v1(402.14,154.88) v1(403.41,217.61) v1(410.27,265.37) v1(410.52,297.12) v1(410.52,281.37) v1(410.52,249.11) v1(410.78,139.89) v1(415.1,171.64) v1(415.6,154.88) v1(423.61,188.92) v1(470.79,128.27) v1(471.59,130.81) v1(482.62,128.27) v1(483.17,130.71) v1(546.12,298.45) v1(546.67,300.89) v1(554.86,298.45) v1(555.66,300.99)
N16868442:
  vias: v1(36.83,132.85) v1(36.83,131.76)
N24574244:
  vias: v1(88.53,207.41)
N24574268:
  vias: v1(88.77,221.18)
N24574272:
  vias: v1(93.83,221.18)
N24574311:
  vias: v1(102.1,215.5)
N24574376:
  vias: v1(102.2,229.1)
N24574578:
  vias: v1(93.83,207.46)
N24787993:
  vias: v1(185.21,289.56)
N24789529:
  vias: v1(118.32,288.29)
N24789779:
  vias: v1(168.7,289.56)
N25330426:
  vias: v1(168.7,273.05)
N25334489:
  vias: v1(185.21,273.05)
N25337760:
  vias: v1(201.21,273.05)
N25339188:
  vias: v1(201.21,289.56)
N25462044:
  vias: v1(175.47,273.05)
N25462912:
  vias: v1(158.96,273.05)
N25463486:
  vias: v1(191.48,289.56)
N25464528:
  vias: v1(158.96,289.56)
N25465136:
  vias: v1(175.47,289.56)
N26125600: length 3
  BOTTOM w0.119: K25.3 210.81,258.7 211.29,259.17 R55.2
N26125602: length 3
  BOTTOM w0.119: R56.1 211.29,256.03 210.81,256.5 K25.4
N26125604: length 3
  BOTTOM w0.119: K25.6 199.14,258.7 198.67,259.17 R57.2
N26125606: length 3
  BOTTOM w0.119: R58.1 198.67,256.03 199.14,256.5 K25.5
N26125622: length 3
  BOTTOM w0.119: K26.3 194.3,244.98 194.78,245.46 R59.2
N26125624: length 3
  BOTTOM w0.119: K26.4 194.3,242.78 194.78,242.31 R60.1
N26125626: length 3
  BOTTOM w0.119: K26.6 182.63,244.98 182.16,245.46 R61.2
N26125628: length 3
  BOTTOM w0.119: R62.1 182.16,242.31 182.63,242.78 K26.5
N26125644: length 3
  BOTTOM w0.119: K27.5 165.87,242.78 165.4,242.31 R66.1
N26125646: length 3
  BOTTOM w0.119: R65.2 165.4,245.46 165.87,244.98 K27.6
N26125685: length 3
  BOTTOM w0.119: K22.6 199.4,244.98 198.92,245.46 R45.2
N26125687: length 3
  BOTTOM w0.119: K22.5 199.4,242.78 198.92,242.31 R46.1
N26125689: length 3
  BOTTOM w0.119: K23.3 194.3,231.27 194.78,231.74 R47.2
N26125691: length 3
  BOTTOM w0.119: K23.4 194.3,229.07 194.78,228.6 R48.1
N26125693: length 3
  BOTTOM w0.119: K23.6 182.63,231.27 182.16,231.74 R49.2
N26125695: length 3
  BOTTOM w0.119: R50.1 182.16,228.6 182.63,229.07 K23.5
N26125711: length 3
  BOTTOM w0.119: K24.3 177.54,231.27 178.01,231.74 R51.2
N26125713: length 3
  BOTTOM w0.119: R52.1 178.01,228.6 177.54,229.07 K24.4
N26125715: length 3
  BOTTOM w0.119: R53.2 165.4,231.74 165.87,231.27 K24.6
N26125717: length 3
  BOTTOM w0.119: K24.5 165.87,229.07 165.4,228.6 R54.1
N26125746: length 3
  BOTTOM w0.119: K22.3 211.07,244.98 211.54,245.46 R102.2
N26125748: length 3
  BOTTOM w0.119: R103.1 211.54,242.31 211.07,242.78 K22.4
N26125750: length 3
  BOTTOM w0.119: K27.3 177.54,244.98 178.01,245.46 R104.2
N26125752: length 3
  BOTTOM w0.119: K27.4 177.54,242.78 178.01,242.31 R105.1
N26138300:
  vias: v1(113.29,230.12)
N26138322:
  vias: v1(110.24,230.12)
N26323523: length 3
  BOTTOM w0.119: R71.2 255.43,299.17 255.9,298.7 K17.3
N26323525: length 3
  BOTTOM w0.119: K17.4 258.1,298.7 258.58,299.17 R72.1
N26323527: length 3
  BOTTOM w0.119: K17.5 258.1,287.03 258.58,286.55 R74.1
N26323529: length 3
  BOTTOM w0.119: R73.2 255.43,286.55 255.9,287.03 K17.6
N26323531: length 3
  BOTTOM w0.119: K21.3 282.57,298.7 282.1,299.17 R75.2
N26323533: length 3
  BOTTOM w0.119: K21.4 284.77,298.7 285.25,299.17 R76.1
N26323535: length 3
  BOTTOM w0.119: K21.5 284.77,287.03 285.25,286.55 R78.1
N26323537: length 3
  BOTTOM w0.119: R77.2 282.1,286.55 282.57,287.03 K21.6
N26323539: length 3
  BOTTOM w0.119: R79.2 178.01,259.17 177.54,258.7 K29.3
N26323541: length 3
  BOTTOM w0.119: R80.1 178.01,256.03 177.54,256.5 K29.4
N26323543: length 3
  BOTTOM w0.119: K29.6 165.87,258.7 165.4,259.17 R43.2
N26323545: length 3
  BOTTOM w0.119: R44.1 165.4,256.03 165.87,256.5 K29.5
N26323547: length 3
  BOTTOM w0.119: K30.3 194.3,258.7 194.78,259.17 R63.2
N26323549: length 3
  BOTTOM w0.119: R64.1 194.78,256.03 194.3,256.5 K30.4
N26323551: length 3
  BOTTOM w0.119: K30.5 182.63,256.5 182.16,256.03 R101.1
N26323553: length 3
  BOTTOM w0.119: R100.2 182.16,259.17 182.63,258.7 K30.6
N26325241: length 3
  BOTTOM w0.119: K16.3 239.4,286.77 239.87,286.3 R67.2
N26325243: length 3
  BOTTOM w0.119: R68.1 236.72,286.3 237.2,286.77 K16.4
N26325245: length 3
  BOTTOM w0.119: K16.5 237.2,298.44 236.72,298.92 R70.1
N26325247: length 3
  BOTTOM w0.119: R69.2 239.87,298.92 239.4,298.44 K16.6
N26326910: length 3
  BOTTOM w0.119: R30.1 338.59,286.55 338.11,287.03 K6.5
N26326941: length 3
  BOTTOM w0.119: K6.3 335.91,298.7 335.44,299.17 R27.2
N26326943: length 3
  BOTTOM w0.119: K6.4 338.11,298.7 338.59,299.17 R28.1
N26326945: length 3
  BOTTOM w0.119: R29.2 335.44,286.55 335.91,287.03 K6.6
N26326947: length 3
  BOTTOM w0.119: R34.1 325.12,286.55 324.65,287.03 K7.5
N26326959: length 3
  BOTTOM w0.119: R31.2 321.98,299.17 322.45,298.7 K7.3
N26326961: length 3
  BOTTOM w0.119: R32.1 325.12,299.17 324.65,298.7 K7.4
N26326963: length 3
  BOTTOM w0.119: K7.6 322.45,287.03 321.98,286.55 R33.2
N26327095: length 3
  BOTTOM w0.119: K11.3 287.91,270.26 288.38,269.79 R39.2
N26327097: length 3
  BOTTOM w0.119: R40.1 285.24,269.79 285.71,270.26 K11.4
N26327099: length 3
  BOTTOM w0.119: R38.1 271.78,286.55 271.31,287.03 K8.5
N26327103: length 3
  BOTTOM w0.119: R37.2 268.64,286.55 269.11,287.03 K8.6
N26327105: length 3
  BOTTOM w0.119: R41.2 288.38,282.41 287.91,281.93 K11.6
N26327107: length 3
  BOTTOM w0.119: R42.1 285.24,282.41 285.71,281.93 K11.5
N26328546: length 3
  BOTTOM w0.119: K5.5 351.58,287.03 352.05,286.55 R26.1
N26328550: length 3
  BOTTOM w0.119: R23.2 348.9,299.17 349.38,298.7 K5.3
N26328552: length 3
  BOTTOM w0.119: R24.1 352.05,299.17 351.58,298.7 K5.4
N26328554: length 3
  BOTTOM w0.119: K5.6 349.38,287.03 348.9,286.55 R25.2
N26330264: length 3
  BOTTOM w0.119: R18.1 298.71,286.55 298.24,287.03 K3.5
N26330266: length 3
  BOTTOM w0.119: R17.2 295.56,286.55 296.04,287.03 K3.6
N26330268: length 3
  BOTTOM w0.119: K3.4 298.24,298.7 298.71,299.17 R16.1
N26330270: length 3
  BOTTOM w0.119: R15.2 295.56,299.17 296.04,298.7 K3.3
N26330276: length 3
  BOTTOM w0.119: K1.5 165.87,215.35 165.4,214.88 R10.1
N26330278: length 3
  BOTTOM w0.119: R9.2 165.4,218.02 165.87,217.55 K1.6
N26330280: length 3
  BOTTOM w0.119: K1.4 177.54,215.35 178.01,214.88 R8.1
N26330282: length 3
  BOTTOM w0.119: R7.2 178.01,218.02 177.54,217.55 K1.3
N26330286: length 3
  BOTTOM w0.119: K2.3 211.07,231.27 211.54,231.74 R11.2
N26330288: length 3
  BOTTOM w0.119: K2.4 211.07,229.07 211.54,228.6 R12.1
N26330290: length 3
  BOTTOM w0.119: R22.1 311.92,286.55 311.44,287.03 K4.5
N26330294: length 3
  BOTTOM w0.119: K4.3 309.24,298.7 308.77,299.17 R19.2
N26330296: length 3
  BOTTOM w0.119: K4.4 311.44,298.7 311.92,299.17 R20.1
N26330298: length 3
  BOTTOM w0.119: K4.6 309.24,287.03 308.77,286.55 R21.2
N26330300: length 3
  BOTTOM w0.119: R14.1 198.92,228.6 199.4,229.07 K2.5
N26330302: length 3
  BOTTOM w0.119: R13.2 198.92,231.74 199.4,231.27 K2.6
N26336814:
  vias: v1(123.12,241.1)
N26336816:
  vias: v1(127.7,241.1)
N26336828:
  vias: v1(222.38,273.82) v1(222.38,272.66) v1(224.65,271.67)
N26336832:
  vias: v1(222.38,275.98) v1(222.38,274.82) v1(224.65,276.97)
N26336834:
  vias: v1(221.21,276.98) v1(222.38,276.98)
N26336836:
  vias: v1(221.21,271.66) v1(222.38,271.66)
N26336892:
  vias: v1(127.75,225.81)
N26336894:
  vias: v1(127.75,233.43)
N26337539:
  vias: v1(96.27,241.05)
N26337547:
  vias: v1(96.27,233.43)
N26486525: length 3
  BOTTOM w0.119: UNK2K25.3 401.95,234.94 401.48,235.42 UNK2R55.2
N26486526: length 3
  BOTTOM w0.119: UNK2R56.1 404.63,235.42 404.15,234.94 UNK2K25.4
N26486527: length 3
  BOTTOM w0.119: UNK2R57.2 401.48,222.8 401.95,223.27 UNK2K25.6
N26486528: length 3
  BOTTOM w0.119: UNK2R58.1 404.63,222.8 404.15,223.27 UNK2K25.5
N26486530: length 3
  BOTTOM w0.119: UNK2K26.3 395.1,219.2 394.62,219.67 UNK2R59.2
N26486531: length 3
  BOTTOM w0.119: UNK2K26.4 397.3,219.2 397.77,219.67 UNK2R60.1
N26486532: length 3
  BOTTOM w0.119: UNK2K26.6 395.1,207.52 394.62,207.05 UNK2R61.2
N26486533: length 3
  BOTTOM w0.119: UNK2R62.1 397.77,207.05 397.3,207.52 UNK2K26.5
N26486535: length 3
  BOTTOM w0.119: UNK2R66.1 384.31,206.8 383.83,207.27 UNK2K27.5
N26486536: length 3
  BOTTOM w0.119: UNK2R65.2 381.16,206.8 381.63,207.27 UNK2K27.6
N26486543: length 3
  BOTTOM w0.119: UNK2R45.2 374.3,222.29 374.78,222.76 UNK2K22.6
N26486544: length 3
  BOTTOM w0.119: UNK2R46.1 377.45,222.29 376.98,222.76 UNK2K22.5
N26486545: length 3
  BOTTOM w0.119: UNK2K23.3 388.49,234.69 388.02,235.16 UNK2R47.2
N26486546: length 3
  BOTTOM w0.119: UNK2R48.1 391.16,235.16 390.69,234.69 UNK2K23.4
N26486547: length 3
  BOTTOM w0.119: UNK2K23.6 388.49,223.02 388.02,222.55 UNK2R49.2
N26486548: length 3
  BOTTOM w0.119: UNK2R50.1 391.16,222.55 390.69,223.02 UNK2K23.5
N26486550: length 3
  BOTTOM w0.119: UNK2K24.3 388.49,250.95 388.02,251.42 UNK2R51.2
N26486551: length 3
  BOTTOM w0.119: UNK2K24.4 390.69,250.95 391.16,251.42 UNK2R52.1
N26486552: length 3
  BOTTOM w0.119: UNK2K24.6 388.49,239.27 388.02,238.8 UNK2R53.2
N26486553: length 3
  BOTTOM w0.119: UNK2R54.1 391.16,238.8 390.69,239.27 UNK2K24.5
N26486568: length 3
  BOTTOM w0.119: UNK2R102.2 374.3,234.91 374.78,234.44 UNK2K22.3
N26486569: length 3
  BOTTOM w0.119: UNK2R103.1 377.45,234.91 376.98,234.44 UNK2K22.4
N26486570: length 3
  BOTTOM w0.119: UNK2K27.3 381.63,218.94 381.16,219.41 UNK2R104.2
N26486571: length 3
  BOTTOM w0.119: UNK2R105.1 384.31,219.41 383.83,218.94 UNK2K27.4
N26486686:
  vias: v1(465.57,235.71)
N26486691:
  vias: v1(468.62,235.71)
N26486726: length 3
  BOTTOM w0.119: UNK2R71.2 374.56,299.42 375.03,298.95 UNK2K17.3
N26486727: length 3
  BOTTOM w0.119: UNK2R72.1 377.7,299.42 377.23,298.95 UNK2K17.4
N26486728: length 3
  BOTTOM w0.119: UNK2K17.5 377.23,287.28 377.7,286.81 UNK2R74.1
N26486729: length 3
  BOTTOM w0.119: UNK2R73.2 374.56,286.81 375.03,287.28 UNK2K17.6
N26486730: length 3
  BOTTOM w0.119: UNK2R75.2 401.48,299.42 401.95,298.95 UNK2K21.3
N26486731: length 3
  BOTTOM w0.119: UNK2K21.4 404.15,298.95 404.63,299.42 UNK2R76.1
N26486732: length 3
  BOTTOM w0.119: UNK2R78.1 404.63,286.81 404.15,287.28 UNK2K21.5
N26486733: length 3
  BOTTOM w0.119: UNK2R77.2 401.48,286.81 401.95,287.28 UNK2K21.6
N26486734: length 3
  BOTTOM w0.119: UNK2K29.3 374.78,250.95 374.3,251.42 UNK2R79.2
N26486735: length 3
  BOTTOM w0.119: UNK2R80.1 377.45,251.42 376.98,250.95 UNK2K29.4
N26486736: length 3
  BOTTOM w0.119: UNK2K29.6 374.78,239.27 374.3,238.8 UNK2R43.2
N26486737: length 3
  BOTTOM w0.119: UNK2R44.1 377.45,238.8 376.98,239.27 UNK2K29.5
N26486738: length 3
  BOTTOM w0.119: UNK2R63.2 415.45,251.42 415.92,250.95 UNK2K30.3
N26486739: length 3
  BOTTOM w0.119: UNK2K30.4 418.12,250.95 418.6,251.42 UNK2R64.1
N26486740: length 3
  BOTTOM w0.119: UNK2K30.5 418.12,239.27 418.6,238.8 UNK2R101.1
N26486741: length 3
  BOTTOM w0.119: UNK2K30.6 415.92,239.27 415.45,238.8 UNK2R100.2
N26486822: length 3
  BOTTOM w0.119: UNK2K16.3 374.78,266.95 374.3,267.42 UNK2R67.2
N26486823: length 3
  BOTTOM w0.119: UNK2R68.1 377.45,267.42 376.98,266.95 UNK2K16.4
N26486824: length 3
  BOTTOM w0.119: UNK2K16.5 376.98,255.28 377.45,254.8 UNK2R70.1
N26486825: length 3
  BOTTOM w0.119: UNK2K16.6 374.78,255.28 374.3,254.8 UNK2R69.2
N26486847: length 3
  BOTTOM w0.119: UNK2K6.5 404.15,271.28 404.63,270.81 UNK2R30.1
N26486849: length 3
  BOTTOM w0.119: UNK2R27.2 401.48,283.42 401.95,282.95 UNK2K6.3
N26486850: length 3
  BOTTOM w0.119: UNK2R28.1 404.63,283.42 404.15,282.95 UNK2K6.4
N26486851: length 3
  BOTTOM w0.119: UNK2R29.2 401.48,270.81 401.95,271.28 UNK2K6.6
N26486852: length 3
  BOTTOM w0.119: UNK2R34.1 391.16,270.81 390.69,271.28 UNK2K7.5
N26486854: length 3
  BOTTOM w0.119: UNK2K7.3 388.49,282.95 388.02,283.42 UNK2R31.2
N26486855: length 3
  BOTTOM w0.119: UNK2K7.4 390.69,282.95 391.16,283.42 UNK2R32.1
N26486856: length 3
  BOTTOM w0.119: UNK2K7.6 388.49,271.28 388.02,270.81 UNK2R33.2
N26486898: length 3
  BOTTOM w0.119: UNK2R39.2 415.2,267.67 415.67,267.2 UNK2K11.3
N26486899: length 3
  BOTTOM w0.119: UNK2K11.4 417.87,267.2 418.34,267.67 UNK2R40.1
N26486900: length 3
  BOTTOM w0.119: UNK2R38.1 391.16,286.81 390.69,287.28 UNK2K8.5
N26486902: length 3
  BOTTOM w0.119: UNK2R37.2 388.02,286.81 388.49,287.28 UNK2K8.6
N26486903: length 3
  BOTTOM w0.119: UNK2K11.6 415.67,255.53 415.2,255.06 UNK2R41.2
N26486904: length 3
  BOTTOM w0.119: UNK2R42.1 418.34,255.06 417.87,255.53 UNK2K11.5
N26486946: length 3
  BOTTOM w0.119: UNK2R26.1 404.63,255.06 404.15,255.53 UNK2K5.5
N26486948: length 3
  BOTTOM w0.119: UNK2R23.2 401.48,267.67 401.95,267.2 UNK2K5.3
N26486949: length 3
  BOTTOM w0.119: UNK2R24.1 404.63,267.67 404.15,267.2 UNK2K5.4
N26486950: length 3
  BOTTOM w0.119: UNK2K5.6 401.95,255.53 401.48,255.06 UNK2R25.2
N26486971: length 3
  BOTTOM w0.119: UNK2R18.1 404.63,238.8 404.15,239.27 UNK2K3.5
N26486972: length 3
  BOTTOM w0.119: UNK2R17.2 401.48,238.8 401.95,239.27 UNK2K3.6
N26486973: length 3
  BOTTOM w0.119: UNK2R16.1 404.63,251.42 404.15,250.95 UNK2K3.4
N26486974: length 3
  BOTTOM w0.119: UNK2R15.2 401.48,251.42 401.95,250.95 UNK2K3.3
N26486977: length 3
  BOTTOM w0.119: UNK2K1.5 418.12,287.28 418.6,286.81 UNK2R10.1
N26486978: length 3
  BOTTOM w0.119: UNK2K1.6 415.92,287.28 415.45,286.81 UNK2R9.2
N26486979: length 3
  BOTTOM w0.119: UNK2K1.4 418.12,298.95 418.6,299.42 UNK2R8.1
N26486980: length 3
  BOTTOM w0.119: UNK2R7.2 415.45,299.42 415.92,298.95 UNK2K1.3
N26486982: length 3
  BOTTOM w0.119: UNK2R11.2 415.45,283.68 415.92,283.2 UNK2K2.3
N26486983: length 3
  BOTTOM w0.119: UNK2R12.1 418.6,283.68 418.12,283.2 UNK2K2.4
N26486984: length 3
  BOTTOM w0.119: UNK2R22.1 377.7,270.81 377.23,271.28 UNK2K4.5
N26486986: length 3
  BOTTOM w0.119: UNK2K4.3 375.03,282.95 374.56,283.42 UNK2R19.2
N26486987: length 3
  BOTTOM w0.119: UNK2K4.4 377.23,282.95 377.7,283.42 UNK2R20.1
N26486988: length 3
  BOTTOM w0.119: UNK2K4.6 375.03,271.28 374.56,270.81 UNK2R21.2
N26486989: length 3
  BOTTOM w0.119: UNK2K2.5 418.12,271.53 418.6,271.06 UNK2R14.1
N26486990: length 3
  BOTTOM w0.119: UNK2K2.6 415.92,271.53 415.45,271.06 UNK2R13.2
N26487182:
  vias: v1(456.25,233.88)
N26487183:
  vias: v1(451.68,233.88)
N26487190:
  vias: v1(302.38,273.82) v1(302.38,272.66) v1(304.65,271.67)
N26487192:
  vias: v1(302.38,275.98) v1(302.38,274.82) v1(304.65,276.97)
N26487193:
  vias: v1(301.21,276.98) v1(302.38,276.98)
N26487194:
  vias: v1(301.21,271.66) v1(302.38,271.66)
N26487223:
  vias: v1(451.62,232.41)
N26487224:
  vias: v1(451.62,224.79)
N26487285:
  vias: v1(483.1,233.68)
N26487289:
  vias: v1(483.1,241.3)
N26491412:
  vias: v1(491.1,226.67)
N26491416:
  vias: v1(490.86,212.91)
N26491418:
  vias: v1(485.8,212.91)
N26491425:
  vias: v1(477.53,218.59)
N26491459:
  vias: v1(477.43,204.98)
N26491497:
  vias: v1(485.8,226.62)
N26492255:
  vias: v1(462.07,290.83)
N26492261:
  vias: v1(485.35,290.83)
N26492266:
  vias: v1(462.07,274.32)
N26492386:
  vias: v1(478.58,274.32)
N26492392:
  vias: v1(495.09,274.32)
N26492464:
  vias: v1(511.6,290.83)
N26492470:
  vias: v1(478.58,290.83)
N26492603:
  vias: v1(485.35,274.32)
N26492609:
  vias: v1(468.84,274.32)
N26492613:
  vias: v1(468.84,290.83)
N26492615:
  vias: v1(452.33,274.32)
N26492621:
  vias: v1(452.33,290.83)
N26495382: length 3
  BOTTOM w0.119: UNK3R55.2 211.79,163.67 211.32,163.2 UNK3K25.3
N26495383: length 3
  BOTTOM w0.119: UNK3K25.4 211.32,161 211.79,160.52 UNK3R56.1
N26495384: length 3
  BOTTOM w0.119: UNK3R57.2 199.18,163.67 199.65,163.2 UNK3K25.6
N26495385: length 3
  BOTTOM w0.119: UNK3R58.1 199.18,160.52 199.65,161 UNK3K25.5
N26495387: length 3
  BOTTOM w0.119: UNK3K26.3 194.3,163.2 194.78,163.67 UNK3R59.2
N26495388: length 3
  BOTTOM w0.119: UNK3K26.4 194.3,161 194.78,160.52 UNK3R60.1
N26495389: length 3
  BOTTOM w0.119: UNK3R61.2 182.16,163.67 182.63,163.2 UNK3K26.6
N26495390: length 3
  BOTTOM w0.119: UNK3K26.5 182.63,161 182.16,160.52 UNK3R62.1
N26495392: length 3
  BOTTOM w0.119: UNK3K27.5 199.65,174.46 199.18,173.99 UNK3R66.1
N26495393: length 3
  BOTTOM w0.119: UNK3R65.2 199.18,177.13 199.65,176.66 UNK3K27.6
N26495400: length 3
  BOTTOM w0.119: UNK3K22.6 199.65,149.73 199.18,150.21 UNK3R45.2
N26495401: length 3
  BOTTOM w0.119: UNK3R46.1 199.18,147.06 199.65,147.53 UNK3K22.5
N26495402: length 3
  BOTTOM w0.119: UNK3R47.2 178.01,136.74 177.54,136.27 UNK3K23.3
N26495403: length 3
  BOTTOM w0.119: UNK3R48.1 178.01,133.6 177.54,134.07 UNK3K23.4
N26495404: length 3
  BOTTOM w0.119: UNK3K23.6 165.87,136.27 165.4,136.74 UNK3R49.2
N26495405: length 3
  BOTTOM w0.119: UNK3K23.5 165.87,134.07 165.4,133.6 UNK3R50.1
N26495407: length 3
  BOTTOM w0.119: UNK3R51.2 194.78,149.95 194.3,149.48 UNK3K24.3
N26495408: length 3
  BOTTOM w0.119: UNK3K24.4 194.3,147.28 194.78,146.81 UNK3R52.1
N26495409: length 3
  BOTTOM w0.119: UNK3K24.6 182.63,149.48 182.16,149.95 UNK3R53.2
N26495410: length 3
  BOTTOM w0.119: UNK3K24.5 182.63,147.28 182.16,146.81 UNK3R54.1
N26495425: length 3
  BOTTOM w0.119: UNK3K22.3 211.32,149.73 211.79,150.21 UNK3R102.2
N26495426: length 3
  BOTTOM w0.119: UNK3K22.4 211.32,147.53 211.79,147.06 UNK3R103.1
N26495427: length 3
  BOTTOM w0.119: UNK3K27.3 211.32,176.66 211.79,177.13 UNK3R104.2
N26495428: length 3
  BOTTOM w0.119: UNK3K27.4 211.32,174.46 211.79,173.99 UNK3R105.1
N26495543:
  vias: v1(113.55,186.44)
N26495548:
  vias: v1(110.5,186.44)
N26495583: length 3
  BOTTOM w0.119: UNK3R71.2 178.01,190.59 177.54,190.12 UNK3K17.3
N26495584: length 3
  BOTTOM w0.119: UNK3K17.4 177.54,187.92 178.01,187.45 UNK3R72.1
N26495585: length 3
  BOTTOM w0.119: UNK3R74.1 165.4,187.45 165.87,187.92 UNK3K17.5
N26495586: length 3
  BOTTOM w0.119: UNK3K17.6 165.87,190.12 165.4,190.59 UNK3R73.2
N26495587: length 3
  BOTTOM w0.119: UNK3K21.3 211.07,190.12 211.54,190.59 UNK3R75.2
N26495588: length 3
  BOTTOM w0.119: UNK3R76.1 211.54,187.45 211.07,187.92 UNK3K21.4
N26495589: length 3
  BOTTOM w0.119: UNK3R78.1 198.92,187.45 199.4,187.92 UNK3K21.5
N26495590: length 3
  BOTTOM w0.119: UNK3K21.6 199.4,190.12 198.92,190.59 UNK3R77.2
N26495591: length 3
  BOTTOM w0.119: UNK3R79.2 178.01,163.67 177.54,163.2 UNK3K29.3
N26495592: length 3
  BOTTOM w0.119: UNK3R80.1 178.01,160.52 177.54,161 UNK3K29.4
N26495593: length 3
  BOTTOM w0.119: UNK3K29.6 165.87,163.2 165.4,163.67 UNK3R43.2
N26495594: length 3
  BOTTOM w0.119: UNK3K29.5 165.87,161 165.4,160.52 UNK3R44.1
N26495595: length 3
  BOTTOM w0.119: UNK3R63.2 178.01,149.95 177.54,149.48 UNK3K30.3
N26495596: length 3
  BOTTOM w0.119: UNK3R64.1 178.01,146.81 177.54,147.28 UNK3K30.4
N26495597: length 3
  BOTTOM w0.119: UNK3K30.5 165.87,147.28 165.4,146.81 UNK3R101.1
N26495598: length 3
  BOTTOM w0.119: UNK3K30.6 165.87,149.48 165.4,149.95 UNK3R100.2
